# Altium PCB n21-evt.PcbDoc (part 3 of 3)
Units mm, origin at the board's own origin, x right, y up, seen from the top; angles counter-clockwise.
Board outline 50.8 x 103 mm, 4 copper layers (Top Layer, Mid Layer 3, Mid Layer 4, Bottom Layer), stack 1.58 mm thick; 89 components, 99 nets, 463 pads, 516 vias.
Unrouted connection lines stored in the file: 3.
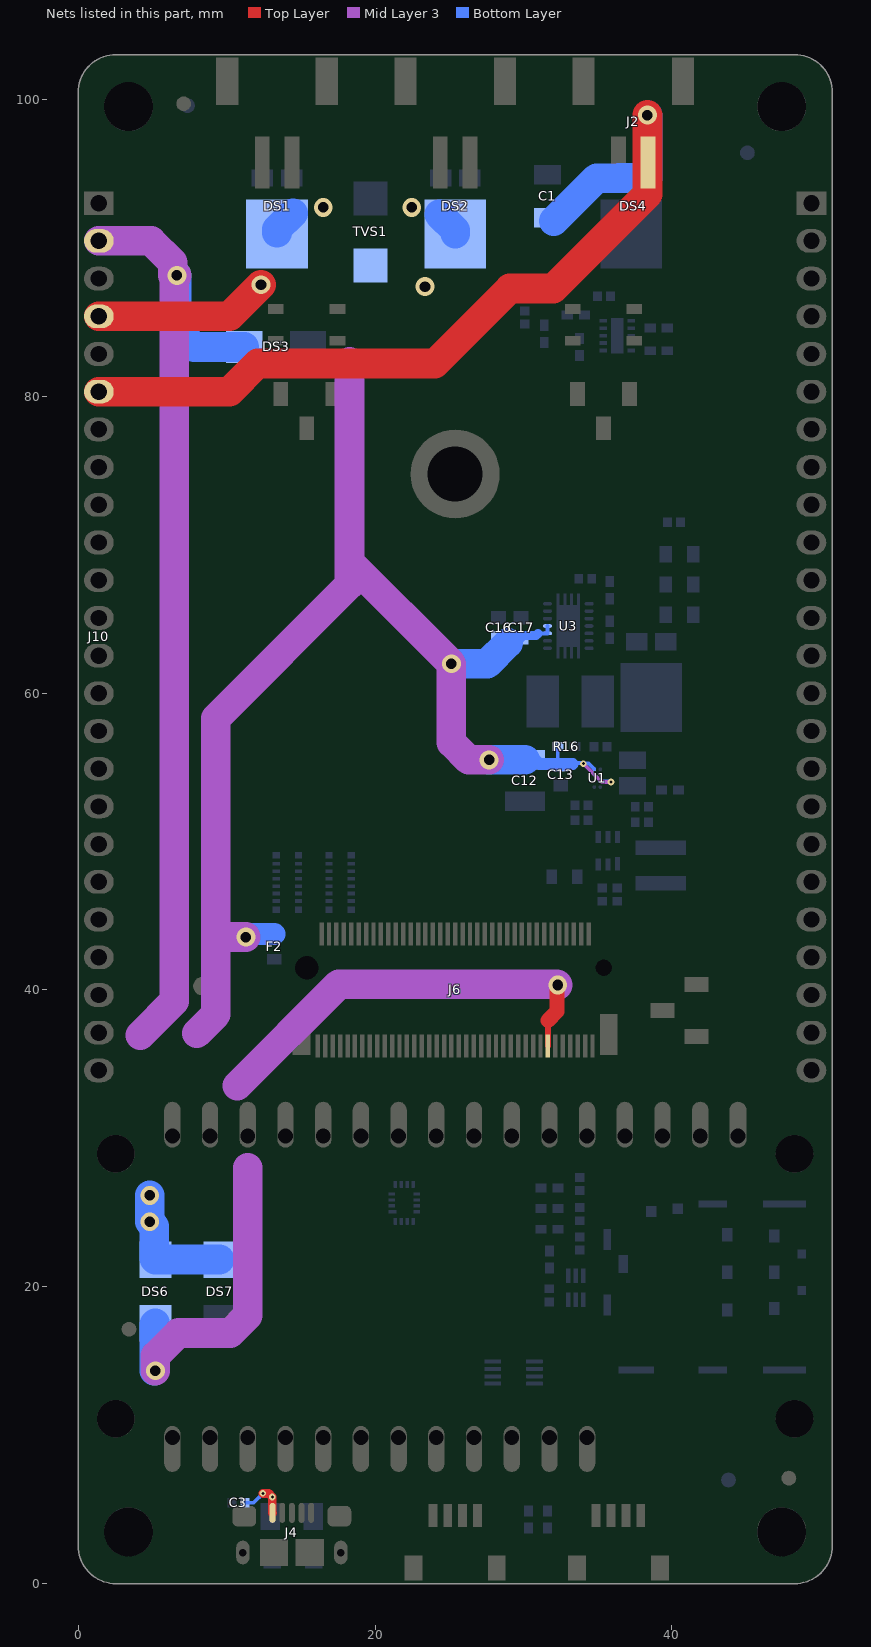
[diagram p5: the nets of this part, all layers, seen from the top]

## Via types
v1: diameter 0.45, hole 0.2, Top Layer to Bottom Layer, tented both sides, 484 vias
v2: diameter 1.27, hole 0.711, Top Layer to Bottom Layer, tented both sides, 25 vias
v3: diameter 1, hole 0.5, Top Layer to Bottom Layer, tented both sides, 6 vias
v4: diameter 1.27, hole 0.71, Top Layer to Bottom Layer, tented both sides, 1 vias

## Nets (pads, with @x,y where several pads share a name; then routed paths per layer and width w, separated by ;. In a path a pad name is that pad's centre, name@x,y a point inside that pad or via, vN(x,y) a via of type N, cw(c..) or ccw(c..) an arc to the next point about the centre after c; other vN are vias at no path point) (continued)
VMAIN: C12.2 C13.2 C16.2 C17.2 DS1.3 DS2.3 DS6.2 DS7.2 F2.1 J10.4 R16.2 TVS1.1 U1.A2 U1.C1 U3.10 U3.11 | length 115.4
  Top Layer w2: J10.4@1.4,85.38 10.196,85.38 v2(12.319,87.503)
  Mid Layer 3 w0.25: v1(34.036,55.245) 35.268,54.013 v1(35.903,54.013)
  Mid Layer 3 w2: 8.001,37.084 9.271,38.354 9.271,43.561 9.271,58.293 18.288,67.31 18.288,68.834 ; 9.565,43.561 v2(11.303,43.561) ; 18.288,82.296 18.288,68.834 ; v2(27.686,55.499) 26.318,55.499 25.146,56.671 v2(25.146,61.976) 18.288,68.834
  Bottom Layer w0.25: 30.988,64.008 30.996,64.016 U3.10@31.62,64.016 U3.11@31.62,64.516 ; R16.2@32.318,56.388 32.318,55.352 C13.2@32.512,55.158 ; 33.401,55.285 34.036,55.285 34.069,55.252 34.391,55.252 U1.A2@34.779,54.864 ; U1.C1@35.179,54.064 35.711,54.064 35.723,54.052 35.864,54.052 v1(35.903,54.013)
  Bottom Layer w0.6: C16.2@28.321,63.714 C17.2@29.845,63.714 29.995,63.864 30.844,63.864 30.988,64.008
  Bottom Layer w0.8: C12.2@30.096,55.499 30.802,55.499 31.093,55.208 32.412,55.208 C13.2@32.462,55.158 ; C13.2@32.512,55.158 32.562,55.208 33.324,55.208
  Bottom Layer w1.5: v2(11.303,43.561) 11.518,43.776 F2.1@13.208,43.776
  Bottom Layer w2: v2(4.826,26.162) v2(4.826,24.384) 5.132,24.078 5.132,21.91 DS6.2@5.207,21.835 DS7.2@9.525,21.835 ; DS1.3@13.4,91 13.4,91.25 DS1.3@14.475,92.325 ; DS2.3@24.325,92.257 25.4,91.182 DS2.3@25.4,90.932 ; v2(25.146,61.976) 27.559,61.976 28.956,63.373 ; v2(27.686,55.499) 30.096,55.499 C12.2@30.099,55.502
  other v2: 23.368,87.376 16.51,92.717 22.479,92.717
VSOLAR: C1.1 DS4.1 DS4.2 J2.2 J10.6 | length 59.5
  Top Layer w2: J10.6@1.4,80.3 10.196,80.3 12.096,82.2 24.034,82.2 29.083,87.249 32.004,87.249 38.354,93.599 v4(38.354,98.933)
  Bottom Layer w2: C1.1@32.043,91.797 34.929,94.682 DS4.2@36.415,94.682 ; DS4.2@36.431,94.697 38.366,94.697 DS4.1@38.382,94.682 ; DS4.1@38.382,94.685 v4@38.382,98.905
VUSB: C3.1 DS3.1 DS6.1 J4.1 J6.13 J10.2 | length 120.9
  Top Layer w0.4: J6.13@31.65,36.225 31.65,37.946
  Top Layer w0.6: v1(12.446,6.085) 12.838,6.085 v1(13.081,5.842) 13.081,4.794 J4.1@13.1,4.775
  Top Layer w1: 31.65,37.946 32.261,38.557 32.261,40.28 v2(32.312,40.332)
  Mid Layer 3 w2: J10.2@1.4,90.46 4.917,90.46 6.373,89.004 v2@6.373,88.131 ; 4.191,36.957 6.477,39.243 6.477,87.958 v2(6.65,88.131) ; v2(5.207,14.351) 5.207,15.338 6.76,16.891 10.258,16.891 11.43,18.063 11.43,28.024 ; 10.731,33.555 17.562,40.386 32.258,40.386 v2(32.312,40.332)
  Bottom Layer w0.25: C3.1@11.235,5.461 11.822,5.461 v1(12.446,6.085)
  Bottom Layer w2: v2@5.132,14.351 5.132,17.46 DS6.1@5.207,17.535 ; v2(6.65,88.131) 6.65,84.484 7.822,83.312 DS3.1@11.185,83.312
pads on no net: FID1.1 FID2.1 FID3.1 FID4.1 FID5.1 FID6.1 J1.M J2.M J3.M J4.4 J5.6 J6. J6.1 J6.15 J6.17 J6.19 J6.21 J6.23 J6.24 J6.25 J6.26 J6.27 J6.28 J6.29 J6.30 J6.31 J6.32 J6.34 J6.35 J6.36 J6.37 J6.41 J6.43 J6.44 J6.47 J6.49 J6.53 J6.55 J6.59 J6.61 J6.63 J6.65 J6.66 J6.68 J6.69 J6.75 J6.AH J7.M J8.M OBJ1.1 SW1.3 U1.D2 U2.9 U3.14

## Polygon pours and split planes (outlines as drawn)
VUSB on Mid Layer 3 "VUSB_L02_P023" (solid, pour order 23): 8.763,26.924 11.049,24.13 12.954,26.67 13.086,35.256 8.763,33.476
VMAIN on Mid Layer 3 "VMAIN_L02_P020" (solid, remove dead copper, pour order 20): 4.826,23.495 6.731,23.495 7.747,24.511 7.747,33.655 8.509,35.687 9.449,37.059 8.763,37.973 7.366,37.973 4.445,34.798 4.191,24.003
VUSB on Mid Layer 3 "VUSB_L02_P018" (solid, pour order 18): 3.556,37.719 1.651,35.56 0.254,35.56 0.254,12.827 3.937,12.827 3.937,34.798 5.08,36.449
F_BAT on Mid Layer 3 "F_BAT_L02_P017" (solid, pour order 17): 50.038,32.639 50.673,32.004 50.673,16.256 49.276,14.859 45.466,14.859 45.466,15.113 45.466,15.748 45.466,16.891 45.466,32.004 46.101,32.639
VUSB on Mid Layer 3 "VUSB_L02_P014" (solid, remove dead copper, pour order 14): 7.239,16.891 2.794,16.891 2.794,14.097 2.159,13.462 0.508,13.462 0.254,13.208 0.254,6.096 1.524,4.826 13.335,4.826 13.716,5.207 13.716,6.731 13.081,7.366 5.08,7.366 5.08,10.668 7.239,12.827
VMAIN on Mid Layer 3 "VMAIN_L02_P016" (solid, pour order 16): 11.43,93.726 27.559,93.726 27.559,81.28 11.43,81.28
VIO_P on Top Layer "VIO_P_L01_P005" (solid, pour order 5): 35.179,42.799 35.179,45.215 34.293,46.101 32.893,46.101 32.893,44.069 33.5,43.664 33.5,42.799
GND on Top Layer "GND_L01_P025" (solid, remove dead copper, pour order 25): 2.546,103.006 48.266,103.006 cw(c48.266,100.466) 50.806,100.466 50.806,2.546 cw(c48.266,2.546) 48.266,0.006 2.546,0.006 cw(c2.546,2.546) 0.006,2.546 0.006,100.466 cw(c2.546,100.466)
NetC4_1 on Top Layer "NETC4_1_L01_P008" (solid, pour order 8): 9.779,5.842 9.398,5.461 8.636,5.461 8.636,2.286 10.541,0.381 19.812,0.381 21.209,1.778 21.209,3.556 20.828,3.937 18.796,4.191 18.653,5.985 18.415,6.223 10.668,6.223
NetC22_1 on Bottom Layer "NETC22_1_L04_P033" (solid, pour order 33): 39.878,72.009 40.386,71.501 40.386,62.738 40.132,62.484 35.433,62.484 35.433,64.135 35.56,64.262 37.465,64.262 38.227,65.024 38.227,72.009
NetC4_1 on Bottom Layer "NETC4_1_L04_P031" (solid, pour order 31): 8.509,5.207 8.509,2.159 10.541,0.127 14.224,0.127 14.224,5.08 13.843,5.461 8.636,5.461
N_VIO on Bottom Layer "N_VIO_L04_P030" (solid, pour order 30): 36.703,48.895 36.703,48.768 36.703,46.482 34.036,46.482 33.02,47.498 33.02,48.641 34.417,48.641 34.671,48.387 34.671,47.752 35.941,47.752 36.068,47.879 36.068,49.149 36.703,49.149
NetL1_1 on Bottom Layer "NETL1_1_L04_P029" (solid, pour order 29): 41.021,47.752 41.021,45.339 37.338,45.339 37.338,47.752
1V8 on Bottom Layer "1V8_L04_P028" (solid, pour order 28): 38.481,54.483 38.481,53.34 37.846,52.705 37.846,50.292 40.894,50.292 41.275,50.165 41.275,48.641 37.592,48.641 36.703,49.53 35.433,49.53 35.306,49.657 35.306,50.927 34.163,50.927 33.909,51.181 33.909,52.832 34.036,52.959 36.195,52.959 36.322,53.086 36.322,54.483
NetL3_2 on Bottom Layer "NETL3_2_L04_P009" (solid, pour order 9): 38.354,56.261 38.354,54.737 35.052,54.737 35.052,56.261
VBAT on Bottom Layer "VBAT_L04_P027" (solid, pour order 27): 35.306,87.63 35.687,87.249 35.687,84.963 35.433,84.709 34.29,84.836 33.655,85.09 33.655,85.979 31.115,85.979 30.988,86.106 30.988,87.63
GND on Bottom Layer "GND_L04_P034" (solid, pour order 34): 2.546,103.006 48.266,103.006 cw(c48.266,100.466) 50.806,100.466 50.806,2.546 cw(c48.266,2.546) 48.266,0.006 2.546,0.006 cw(c2.546,2.546) 0.006,2.546 0.006,100.466 cw(c2.546,100.466)
VMAIN on Bottom Layer "VMAIN_L04_P026" (solid, pour order 26): 25.527,93.599 27.94,91.186 27.94,87.249 27.559,86.868 10.668,86.868 10.668,93.091 11.176,93.599
VMAIN on Bottom Layer "VMAIN_L04_P019" (solid, remove dead copper, pour order 19): 4.191,20.574 3.302,21.463 3.302,27.305 6.985,27.305 8.89,25.4 8.89,20.574
VUSB on Bottom Layer "VUSB_L04_P015" (solid, pour order 15): 2.921,19.558 6.477,19.558 7.239,18.796 7.239,12.065 4.699,12.065 2.54,12.065 2.54,19.367
GND on Mid Layer 4 "GND_L03_P001" (solid, remove dead copper, pour order 1): 2.546,103.006 48.266,103.006 cw(c48.266,100.466) 50.806,100.466 50.806,2.546 cw(c48.266,2.546) 48.266,0.006 2.546,0.006 cw(c2.546,2.546) 0.006,2.546 0.006,100.466 cw(c2.546,100.466)

## Silkscreen, mask and mechanical layers (free items; w line width, h text height)
Top Overlay:
  drawing of 15 lines, arcs and shapes, not listed
  text "V+" at 18.138,104.52 h2.29 r270
  text "SOLAR" at 42.246,103.118 h2.29 r270
  text "LIPO" at 30.092,102.427 h2.29 r270
  text "+ /  / -" at 11.31,94.729 h3 r270
  text "+ /  / -" at 23.31,93.403 h3 r270
  text "+ /  / -" at 35.375,93.276 h3 r270
  text "F_3V3" at 3.401,92.419 h2.29
  text "F_NRST" at 41.613,92.413 h2.29
  text "N_VUSB" at 3.401,89.873 h2.29
  text "F_EN" at 43.696,89.873 h2.29
  text "N_NRST" at 38.192,88.709 h2.29 r270
  text "USER F" at 11.199,88.056 h2.29 r270
  text "VBAT" at 3.401,87.333 h2.29
  text "F_SDA" at 42.574,87.333 h2.29
  text "NOTECARRIER-F" at 14.658,87.185 h4
  text "VMAIN" at 3.401,84.793 h2.29
  text "F_SCL" at 42.755,84.793 h2.29
  text "V1.0" at 22.877,84.376 h4
  text "SWITCHED" at 18.717,83.168 h2.29 r270
  text "PASSIVE" at 31.163,82.842 h2.29 r270
  text "ACTIVE" at 38.529,82.37 h2.29 r270
  text "F_D5" at 43.804,82.259 h2.29
  text "N_VIO" at 3.401,82.255 h2.29
  text "ON" at 11.226,80.235 h2.29 r270
  text "SOLAR" at 3.401,79.715 h2.29
  text "F_D6" at 43.807,79.712 h2.29
  text "V+" at 3.401,77.173 h2.29
  text "F_D9" at 43.834,77.174 h2.29
  text "Feather PWR" at 8.155,74.895 h2.29
  text "GPS ANT" at 32.456,74.64 h2.29
  text "GND" at 3.4,74.633 h2.29
  text "F_D10" at 43.181,74.635 h2.29
  text "N_EN" at 3.401,72.093 h2.29
  text "F_D11" at 43.559,72.093 h2.29
  text "N_NRST" at 3.401,69.553 h2.29
  text "F_D12" at 43.188,69.547 h2.29
  text "F_D13" at 43.226,67.019 h2.29
  text "GND" at 3.4,67.013 h2.29
  text "N_SCL" at 3.401,64.473 h2.29
  text "F_B0" at 43.771,64.475 h2.29
  text "N_SDA" at 3.401,61.933 h2.29
  text "F_TX" at 43.699,61.933 h2.29
  text "ATTN" at 3.399,59.393 h2.29
  text "F_RX" at 43.651,59.393 h2.29
  text "AUX_EN" at 3.399,56.859 h2.29
  text "F_MISO" at 42.087,56.565 h2.29
  text "AUX_RX" at 3.399,54.319 h2.29
  text "F_MOSI" at 42.11,54.315 h2.29
  text "AUX_TX" at 3.399,51.779 h2.29
  text "F_SCK" at 42.651,51.773 h2.29
  text "AUX1" at 3.399,49.239 h2.29
  text "F_A5" at 43.715,49.239 h2.29
  text "AUX2" at 3.399,46.693 h2.29
  text "F_A4" at 43.628,46.693 h2.29
  text "AUX3" at 3.399,44.159 h2.29
  text "F_A3" at 43.73,44.159 h2.29
  text "AUX4" at 3.399,41.619 h2.29
  text "F_A2" at 43.692,41.607 h2.29
  text "ON" at 38.431,40.189 h2.29 r90
  text "N_RX" at 3.401,39.073 h2.29
  text "F_A1" at 44.063,39.073 h2.29
  text "N_TX" at 3.401,36.533 h2.29
  text "F_A0" at 43.686,36.535 h2.29
  text "DFU" at 38.427,35.012 h2.29 r90
  text "GND" at 3.4,33.993 h2.29
  text "F_AREF" at 41.64,33.993 h2.29
  text "F_B0" at 5.659,28.16 h2.29 r270
  text "F_TX" at 8.199,28.16 h2.29 r270
  text "F_RX" at 10.748,28.16 h2.29 r270
  text "F_MISO" at 13.279,28.16 h2.29 r270
  text "F_MOSI" at 15.819,28.16 h2.29 r270
  text "F_SCK" at 18.359,28.16 h2.29 r270
  text "F_A5" at 20.899,28.16 h2.29 r270
  text "F_A4" at 23.439,28.16 h2.29 r270
  text "F_A3" at 25.979,28.16 h2.29 r270
  text "F_A2" at 28.519,28.16 h2.29 r270
  text "F_A1" at 31.059,28.16 h2.29 r270
  text "F_A0" at 33.599,28.16 h2.29 r270
  text "GND" at 36.139,28.16 h2.29 r270
  text "F_AREF" at 38.688,28.16 h2.29 r270
  text "F_3V3" at 41.219,28.16 h2.29 r270
  text "F_NRST" at 43.768,28.16 h2.29 r270
  text "F_SDA" at 5.659,18.309 h2.29 r270
  text "F_SCL" at 8.199,17.307 h2.29 r270
  text "F_BAT" at 33.608,17.26 h2.29 r270
  text "F_D5" at 10.739,17.079 h2.29 r270
  text "F_D10" at 18.359,16.968 h2.29 r270
  text "F_D11" at 20.899,16.968 h2.29 r270
  text "F_D12" at 23.439,16.963 h2.29 r270
  text "F_D13" at 25.979,16.969 h2.29 r270
  text "VUSB" at 28.519,16.969 h2.29 r270
  text "F_EN" at 31.068,16.809 h2.29 r270
  text "F_D6" at 13.279,15.896 h2.29 r270
  text "F_D9" at 15.819,15.896 h2.29 r270
  text "NOTECARD / USB" at 6.352,8.154 h1.8 r270
  text "F I2C / QWIIC" at 29.593,5.774 h2.29 r270
Bottom Overlay:
  text "V+ / 2.5V-5.5V" at 17.78,97.754 h2.29
  text "LIPO: / 3.3V-4.2V" at 30.099,97.735 h2.29
  text "SOLAR: / 3.5V-7V" at 41.656,97.736 h2.29
  text "F_3V3" at 7.893,92.419 h2.29
  text "F_NRST" at 47.399,92.413 h2.29
  text "N_VUSB" at 9.341,89.873 h2.29
  text "F_EN" at 47.399,89.873 h2.29
  text "VBAT" at 7.493,87.333 h2.29
  text "F_SDA" at 47.399,87.333 h2.29
  text "VMAIN" at 8.173,84.793 h2.29
  text "F_SCL" at 47.399,84.793 h2.29
  text "F_D5" at 47.399,82.259 h2.29
  text "N_VIO" at 7.735,82.255 h2.29
  text "SOLAR" at 8.432,79.715 h2.29
  text "F_D6" at 47.399,79.712 h2.29
  text "V+" at 5.163,77.173 h2.29
  text "F_D9" at 47.399,77.174 h2.29
  text "GND" at 6.424,74.633 h2.29
  text "F_D10" at 47.399,74.635 h2.29
  text "N_EN" at 7.28,72.093 h2.29
  text "F_D11" at 47.399,72.093 h2.29
  text "N_NRST" at 9.364,69.553 h2.29
  text "F_D12" at 47.399,69.547 h2.29
  text "F_D13" at 47.399,67.019 h2.29
  text "GND" at 6.424,67.013 h2.29
  text "N_SCL" at 8.222,64.473 h2.29
  text "F_B0" at 47.399,64.475 h2.29
  text "N_SDA" at 8.402,61.933 h2.29
  text "F_TX" at 47.399,61.933 h2.29
  text "ATTN" at 7.454,59.393 h2.29
  text "F_RX" at 47.399,59.393 h2.29
  text "AUX_EN" at 9.461,56.859 h2.29
  text "F_MISO" at 47.399,56.855 h2.29
  text "AUX_RX" at 9.507,54.319 h2.29
  text "F_MOSI" at 47.399,54.315 h2.29
  text "AUX_TX" at 9.459,51.779 h2.29
  text "F_SCK" at 47.399,51.773 h2.29
  text "AUX1" at 7.093,49.239 h2.29
  text "F_A5" at 47.399,49.239 h2.29
  text "AUX2" at 7.464,46.693 h2.29
  text "F_A4" at 47.399,46.693 h2.29
  text "AUX3" at 7.426,44.159 h2.29
  text "F_A3" at 47.399,44.159 h2.29
  text "AUX4" at 7.528,41.619 h2.29
  text "F_A2" at 47.399,41.607 h2.29
  text "N_RX" at 7.326,39.073 h2.29
  text "F_A1" at 47.399,39.073 h2.29
  text "N_TX" at 7.278,36.533 h2.29
  text "F_A0" at 47.399,36.535 h2.29
  text "GND" at 6.424,33.993 h2.29
  text "F_AREF" at 47.399,33.993 h2.29
Board:
  lines w0.013: 0,2.54 ccw(c2.54,2.54) 2.54,0 ; 0,2.54 ccw(c2.54,2.54) 2.54,0 ; 0,2.54 0,100.46 cw(c2.54,100.46) 2.54,103 48.26,103 ; 2.54,0 48.26,0 ; 2.54,0 48.26,0 ; 48.26,0 ccw(c48.26,2.54) 50.8,2.54 ; 48.26,0 ccw(c48.26,2.54) 50.8,2.54 ; 48.26,103 cw(c48.26,100.46) 50.8,100.46 ; 48.26,103 cw(c48.26,100.46) 50.8,100.46 ; 50.8,2.54 50.8,100.46 ; 50.8,2.54 50.8,100.46
Dimensions Drawing:
  circle w0.254: c35.4,41.5 r0.55
  circle w0.254: c15.4,39.5 r0.8
  circle w0.254: c2.54,28.96 r1.27
  circle w0.254: c48.266,11.116 r1.27
  circle w0.254: c48.266,28.96 r1.27
  circle w0.254: c3.4,99.5 r1.65
  circle w0.254: c47.4,99.5 r1.65
  circle w0.254: c2.546,11.116 r1.27
  circle w0.254: c3.4,3.5 r1.65
  circle w0.254: c47.4,3.5 r1.65
  lines w0.013: 0,2.54 ccw(c2.54,2.54) 2.54,0 48.26,0 ccw(c48.26,2.54) 50.8,2.54 50.8,100.46 ccw(c48.26,100.46) 48.26,103 2.54,103 ccw(c2.54,100.46) 0,100.46 0,2.54
Drill Drawing:
  circle w0.254: c5,151.723 r0.508
  circle w0.254: c5,151.723 r0.847
  circle w0.254: c5,144.103 r0.847
  lines w0.254: 4.154,135.636 5.847,135.636 5.847,137.329 4.154,137.329 4.154,135.636 ; 4.154,139.446 5.847,139.446 5.847,141.139 4.154,141.139 4.154,139.446 ; 4.154,148.759 5.847,148.759 5,147.066 4.154,148.759 ; 4.154,154.686 5,155.109 5.847,154.686 5.424,155.533 5.847,156.379 5,155.956 4.154,156.379 4.577,155.533 4.154,154.686 ; 4.154,160.189 5.847,160.189 5,158.496 4.154,160.189 ; 4.154,162.729 4.577,162.729 5,162.306 5.424,162.729 5.847,162.729 5.424,163.153 5.847,163.576 5.424,163.576 5,163.999 4.577,163.576 4.154,163.576 4.577,163.153 4.154,162.729 ; 4.154,166.539 4.577,166.539 4.577,166.116 5.424,166.116 5.424,166.539 5.847,166.539 5.847,167.386 5.424,167.386 5.424,167.809 4.577,167.809 4.577,167.386 4.154,167.386 4.154,166.539 ; 4.154,170.773 5,169.926 5.847,170.773 5,171.619 4.154,170.773 ; 4.154,173.736 4.154,174.159 4.577,174.583 4.154,175.006 4.154,175.429 4.577,175.429 5,175.006 5.424,175.429 5.847,175.429 5.847,175.006 5.424,174.583 5.847,174.159 5.847,173.736 5.424,173.736 5,174.159 4.577,173.736 4.154,173.736 ; 4.154,177.969 4.577,177.969 5,177.546 5.424,177.969 5.847,177.969 5.424,178.393 5.847,178.816 5.424,178.816 5,179.239 4.577,178.816 4.154,178.816 4.577,178.393 4.154,177.969 ; 4.492,135.975 5.508,135.975 5.508,136.991 4.492,136.991 4.492,135.975 ; 4.492,148.421 5.508,148.421 5,147.405 4.492,148.421 ; 4.492,178.139 4.746,178.139 5,177.885 5.254,178.139 5.508,178.139 5.254,178.393 5.508,178.647 5.254,178.647 5,178.901 4.746,178.647 4.492,178.647 4.746,178.393 4.492,178.139
  lines w0.381: 2.635,134.493 354.986,134.493 ; 2.635,180.213 354.986,180.213 ; 16.627,130.683 16.627,184.023 ; 31.863,130.683 31.863,184.023 ; 61.065,130.683 61.065,184.023 ; 73.914,130.683 73.914,184.023 ; 92.553,130.683 92.553,184.023 ; 130.641,130.683 130.641,184.023 ; 145.623,130.683 145.623,184.023 ; 173.301,130.683 173.301,184.023 ; 202.249,130.683 202.249,184.023 ; 223.934,130.683 223.934,184.023 ; 257.808,130.683 257.808,184.023 ; 291.682,130.683 291.682,184.023 ; 319.36,130.683 319.36,184.023 ; 2.635,130.683 354.986,130.683 354.986,184.023 2.635,184.023 2.635,130.683
  text "Symbol" at 4.921,181.356 h1.83
  text "Count" at 17.77,181.356 h1.83
  text "Hole Size" at 33.006,181.356 h1.83
  text "Plated" at 62.208,181.356 h1.83
  text "Hole Type" at 75.057,181.356 h1.83
  text "Drill Layer Pair" at 93.696,181.356 h1.83
  text "Via/Pad" at 131.784,181.356 h1.83
  text "Pad Shape" at 146.766,181.356 h1.83
  text "Template" at 174.444,181.356 h1.83
  text "Description" at 203.392,181.356 h1.83
  text "Hole Tolerance (+)" at 225.077,181.356 h1.83
  text "Hole Tolerance (-)" at 258.951,181.356 h1.83
  text "Hole Length" at 292.825,181.356 h1.83
  text "Routed Path Length" at 320.503,181.356 h1.83
  text "1" at 17.77,177.546 h1.52
  text "27.95mil (0.710mm)" at 33.006,177.546 h1.52
  text "PTH" at 62.208,177.546 h1.52
  text "Round" at 75.057,177.546 h1.52
  text "Top Layer - Bottom Layer" at 93.696,177.546 h1.52
  text "Via" at 131.784,177.546 h1.52
  text "Rounded" at 146.766,177.546 h1.52
  text "v127h71m0mx0(1)" at 174.444,177.546 h1.52
  text "-" at 292.825,177.546 h1.52
  text "-" at 320.503,177.546 h1.52
  text "1" at 17.77,173.736 h1.52
  text "43.31mil (1.100mm)" at 33.006,173.736 h1.52
  text "NPTH" at 62.208,173.736 h1.52
  text "Round" at 75.057,173.736 h1.52
  text "Top Layer - Bottom Layer" at 93.696,173.736 h1.52
  text "Pad" at 131.784,173.736 h1.52
  text "Rounded" at 146.766,173.736 h1.52
  text "c100hn110" at 174.444,173.736 h1.52
  text "-" at 292.825,173.736 h1.52
  text "-" at 320.503,173.736 h1.52
  text "1" at 17.77,169.926 h1.52
  text "62.99mil (1.600mm)" at 33.006,169.926 h1.52
  text "NPTH" at 62.208,169.926 h1.52
  text "Round" at 75.057,169.926 h1.52
  text "Top Layer - Bottom Layer" at 93.696,169.926 h1.52
  text "Pad" at 131.784,169.926 h1.52
  text "Rounded" at 146.766,169.926 h1.52
  text "c100hn160" at 174.444,169.926 h1.52
  text "-" at 292.825,169.926 h1.52
  text "-" at 320.503,169.926 h1.52
  text "1" at 17.77,166.116 h1.52
  text "145.67mil (3.700mm)" at 33.006,166.116 h1.52
  text "PTH" at 62.208,166.116 h1.52
  text "Round" at 75.057,166.116 h1.52
  text "Top Layer - Bottom Layer" at 93.696,166.116 h1.52
  text "Pad" at 131.784,166.116 h1.52
  text "Rounded" at 146.766,166.116 h1.52
  text "c600h370z152" at 174.444,166.116 h1.52
  text "-" at 292.825,166.116 h1.52
  text "-" at 320.503,166.116 h1.52
  text "2" at 17.77,162.306 h1.52
  text "19.69mil (0.500mm)" at 33.006,162.306 h1.52
  text "PTH" at 62.208,162.306 h1.52
  text "Slot" at 75.057,162.306 h1.52
  text "Top Layer - Bottom Layer" at 93.696,162.306 h1.52
  text "Pad" at 131.784,162.306 h1.52
  text "Rounded" at 146.766,162.306 h1.52
  text "r160_90h50_120r100" at 174.444,162.306 h1.52
  text "47.24mil (1.200mm)" at 292.825,162.306 h1.52
  text "27.56mil (0.700mm)" at 320.503,162.306 h1.52
  text "4" at 17.77,158.496 h1.52
  text "100.00mil (2.540mm)" at 33.006,158.496 h1.52
  text "NPTH" at 62.208,158.496 h1.52
  text "Round" at 75.057,158.496 h1.52
  text "Top Layer - Bottom Layer" at 93.696,158.496 h1.52
  text "Pad" at 131.784,158.496 h1.52
  text "Rounded" at 146.766,158.496 h1.52
  text "c254hn254" at 174.444,158.496 h1.52
  text "-" at 292.825,158.496 h1.52
  text "-" at 320.503,158.496 h1.52
  text "4" at 17.77,154.686 h1.52
  text "129.92mil (3.300mm)" at 33.006,154.686 h1.52
  text "NPTH" at 62.208,154.686 h1.52
  text "Round" at 75.057,154.686 h1.52
  text "Top Layer - Bottom Layer" at 93.696,154.686 h1.52
  text "Pad" at 131.784,154.686 h1.52
  text "Rounded" at 146.766,154.686 h1.52
  text "c330hn330" at 174.444,154.686 h1.52
  text "-" at 292.825,154.686 h1.52
  text "-" at 320.503,154.686 h1.52
  text "6" at 17.77,150.876 h1.52
  text "19.69mil (0.500mm)" at 33.006,150.876 h1.52
  text "PTH" at 62.208,150.876 h1.52
  text "Round" at 75.057,150.876 h1.52
  text "Top Layer - Bottom Layer" at 93.696,150.876 h1.52
  text "Via" at 131.784,150.876 h1.52
  text "Rounded" at 146.766,150.876 h1.52
  text "v100h50m0mx0" at 174.444,150.876 h1.52
  text "-" at 292.825,150.876 h1.52
  text "-" at 320.503,150.876 h1.52
  text "25" at 17.77,147.066 h1.52
  text "27.99mil (0.711mm)" at 33.006,147.066 h1.52
  text "PTH" at 62.208,147.066 h1.52
  text "Round" at 75.057,147.066 h1.52
  text "Top Layer - Bottom Layer" at 93.696,147.066 h1.52
  text "Via" at 131.784,147.066 h1.52
  text "Rounded" at 146.766,147.066 h1.52
  text "(Mixed)" at 174.444,147.066 h1.52
  text "-" at 292.825,147.066 h1.52
  text "-" at 320.503,147.066 h1.52
  text "28" at 17.77,143.256 h1.52
  text "39.37mil (1.000mm)" at 33.006,143.256 h1.52
  text "PTH" at 62.208,143.256 h1.52
  text "Round" at 75.057,143.256 h1.52
  text "Top Layer - Bottom Layer" at 93.696,143.256 h1.52
  text "Pad" at 131.784,143.256 h1.52
  text "Rounded Rectangle" at 146.766,143.256 h1.52
  text "(Mixed)" at 174.444,143.256 h1.52
  text "-" at 292.825,143.256 h1.52
  text "-" at 320.503,143.256 h1.52
  text "48" at 17.77,139.446 h1.52
  text "43.31mil (1.100mm)" at 33.006,139.446 h1.52
  text "PTH" at 62.208,139.446 h1.52
  text "Round" at 75.057,139.446 h1.52
  text "Top Layer - Bottom Layer" at 93.696,139.446 h1.52
  text "Pad" at 131.784,139.446 h1.52
  text "(Mixed)" at 146.766,139.446 h1.52
  text "(Mixed)" at 174.444,139.446 h1.52
  text "-" at 292.825,139.446 h1.52
  text "-" at 320.503,139.446 h1.52
  text "484" at 17.77,135.636 h1.52
  text "7.87mil (0.200mm)" at 33.006,135.636 h1.52
  text "PTH" at 62.208,135.636 h1.52
  text "Round" at 75.057,135.636 h1.52
  text "Top Layer - Bottom Layer" at 93.696,135.636 h1.52
  text "Via" at 131.784,135.636 h1.52
  text "Rounded" at 146.766,135.636 h1.52
  text "(Mixed)" at 174.444,135.636 h1.52
  text "-" at 292.825,135.636 h1.52
  text "-" at 320.503,135.636 h1.52
  text "605 Total" at 17.77,131.826 h1.52
  text "Slot definitions :" at 4.921,128.144 h1.52
  text "Routed Path Length" at 31.151,128.144 h1.52
  text "= Calculated from tool start centre position to tool end centre position." at 59.159,128.144 h1.52
  text "Hole Length" at 31.151,125.604 h1.52
  text "= Routed Path Length + Tool Size = Slot length as defined in the PCB layout" at 48.749,125.604 h1.52
Fab Notes:
  drawing of 431 lines, arcs and shapes, not listed
  text "B" at 414.015,107.881 h1.27
  text "B" at 414.015,107.881 h1.27
  text "IMPEDANCE CONTROL TABLE" at 328.979,107.007 h1.31
  text "IMPEDANCE CONTROL TABLE" at 328.979,107.007 h1.31
  text "FOR TEMPO AUTOMATION" at 125.433,104.903 h6
  text "TRACE [MM]" at 297.846,102.925 h1.31
  text "TRACE [MM]" at 297.846,102.925 h1.31
  text "SPACING [MM]" at 322.066,102.925 h1.31
  text "SPACING [MM]" at 322.066,102.925 h1.31
  text "LAYER" at 276.595,102.807 h1.31
  text "LAYER" at 276.595,102.807 h1.31
  text "IMPEDANCE SINGLE-ENDED" at 341.068,102.807 h1.31
  text "IMPEDANCE SINGLE-ENDED" at 341.068,102.807 h1.31
  text "IMPEDANCE DIFFERENTIAL" at 365.768,102.807 h1.31
  text "IMPEDANCE DIFFERENTIAL" at 365.768,102.807 h1.31
  text "TOLLERANCE" at 396.546,102.807 h1.31
  text "TOLLERANCE" at 396.546,102.807 h1.31
  text "Layer" at 127.002,101.219 h1.52
  text "Name" at 137.414,101.219 h1.52
  text "Material" at 161.283,101.219 h1.52
  text "Thickness" at 183.122,101.219 h1.52
  text "Constant" at 199.627,101.219 h1.52
  text "Board Layer Stack" at 214.102,101.219 h1.52
  text "+/- 10%" at 397.757,99.513 h1.31
  text "NA" at 349.047,99.495 h1.31
  text "90 ohm" at 375.006,99.495 h1.31
  text "0.178" at 300.526,99.413 h1.31
  text "0.127" at 325.026,99.413 h1.31
  text "BOTTOM" at 277.316,99.395 h1.31
  text "Top Overlay" at 137.414,98.171 h1.52
  text "+/- 10%" at 398.138,95.957 h1.31
  text "NA" at 349.428,95.939 h1.31
  text "90 ohm" at 375.387,95.939 h1.31
  text "0.178" at 300.907,95.857 h1.31
  text "0.127" at 325.407,95.857 h1.31
  text "TOP" at 277.697,95.839 h1.31
  text "Top Solder" at 137.414,95.123 h1.52
  text "Solder Resist" at 161.283,95.123 h1.52
  text "0.015mm" at 183.122,95.123 h1.52
  text "3.5" at 199.627,95.123 h1.52
  text "1" at 127.002,92.075 h1.52
  text "Top Layer" at 137.414,92.075 h1.52
  text "0.048mm" at 183.122,92.075 h1.52
  text "Top Prepreg" at 137.414,89.027 h1.52
  text "0.109mm" at 183.122,89.027 h1.52
  text "4.2" at 199.627,89.027 h1.52
  text "2" at 127.002,85.979 h1.52
  text "Mid Layer 3" at 137.414,85.979 h1.52
  text "0.036mm" at 183.122,85.979 h1.52
  text "Bottom Core" at 137.414,82.931 h1.52
  text "1.194mm" at 183.122,82.931 h1.52
  text "4.2" at 199.627,82.931 h1.52
  text "MANUFACTURING SPECIFICATIONS" at 326.53,81.107 h1.31
  text "MANUFACTURING SPECIFICATIONS" at 326.53,81.107 h1.31
  text "3" at 127.002,79.883 h1.52
  text "Mid Layer 4" at 137.414,79.883 h1.52
  text "0.036mm" at 183.122,79.883 h1.52
  text "CLASS 2" at 377.915,77.007 h1.31
  text "CLASS 2" at 377.915,77.007 h1.31
  text "BOARD SIZE (XxYxZ)" at 267.537,76.932 h1.31
  text "BOARD SIZE (XxYxZ)" at 267.537,76.932 h1.31
  text "50.8x103.00x1.6mm" at 304.936,76.925 h1.31
  text "IPC-6012 - IPC-A-600" at 340.848,76.907 h1.31
  text "IPC-6012 - IPC-A-600" at 340.848,76.907 h1.31
  text "Bottom Prepreg" at 137.414,76.835 h1.52
  text "0.109mm" at 183.122,76.835 h1.52
  text "4.2" at 199.627,76.835 h1.52
  text "4" at 127.002,73.787 h1.52
  text "Bottom Layer" at 137.414,73.787 h1.52
  text "0.048mm" at 183.122,73.787 h1.52
  text "+-/0.2 | +/-0.2 | +/-10%" at 304.936,73.625 h1.31
  text "+-/0.2 | +/-0.2 | +/-10%" at 304.936,73.625 h1.31
  text "YES" at 377.815,73.407 h1.31
  text "YES" at 377.815,73.407 h1.31
  text "BOARD TOLLERANCE (X|Y|Z)" at 267.537,73.332 h1.31
  text "BOARD TOLLERANCE (X|Y|Z)" at 267.537,73.332 h1.31
  text "E-TESTING" at 340.948,73.307 h1.31
  text "E-TESTING" at 340.948,73.307 h1.31
  text "Bottom Solder" at 137.414,70.739 h1.52
  text "Solder Resist" at 161.283,70.739 h1.52
  text "0.015mm" at 183.122,70.739 h1.52
  text "3.5" at 199.627,70.739 h1.52
  text "4" at 305.054,70.107 h1.31
  text "4" at 305.054,70.107 h1.31
  text "NO" at 377.915,70.107 h1.31
  text "NO" at 377.915,70.107 h1.31
  text "UL-MARKING" at 341.048,70.007 h1.31
  text "UL-MARKING" at 341.048,70.007 h1.31
  text "NO.OF LAYERS" at 267.632,69.932 h1.31
  text "NO.OF LAYERS" at 267.632,69.932 h1.31
  text "Bottom Overlay" at 137.414,67.691 h1.52
  text "NO" at 377.915,66.507 h1.31
  text "NO" at 377.915,66.507 h1.31
  text "48um" at 304.785,66.407 h1.31
  text "MICROVIA (hole < 100um)" at 341.048,66.407 h1.31
  text "MICROVIA (hole < 100um)" at 341.048,66.407 h1.31
  text "BASE COPPER OUTSIDE" at 267.579,66.332 h1.31
  text "BASE COPPER OUTSIDE" at 267.579,66.332 h1.31
  text "Total board thickness:" at 127.002,64.643 h1.52
  text "1.610mm" at 183.122,64.643 h1.52
  text "36um" at 304.785,63.007 h1.31
  text "BASE COPPER INSIDE" at 267.579,62.932 h1.31
  text "BASE COPPER INSIDE" at 267.579,62.932 h1.31
  text "NO" at 377.915,62.907 h1.31
  text "NO" at 377.915,62.907 h1.31
  text "BLIND VIA" at 341.048,62.807 h1.31
  text "BLIND VIA" at 341.048,62.807 h1.31
  text "ENIG" at 305.075,59.407 h1.31
  text "NO" at 377.915,59.407 h1.31
  text "NO" at 377.915,59.407 h1.31
  text "FINISH" at 267.52,59.332 h1.31
  text "FINISH" at 267.52,59.332 h1.31
  text "BURIED VIA" at 341.048,59.307 h1.31
  text "BURIED VIA" at 341.048,59.307 h1.31
  text "NO" at 377.915,55.907 h1.31
  text "NO" at 377.915,55.907 h1.31
  text "MATTE BLACK" at 304.673,55.88 h1.31
  text "SOLDER COLOR" at 267.573,55.832 h1.31
  text "SOLDER COLOR" at 267.573,55.832 h1.31
  text "VIA FILL/VIA IN PAD" at 341.048,55.807 h1.31
  text "VIA FILL/VIA IN PAD" at 341.048,55.807 h1.31
  text "WHITE" at 305.095,52.507 h1.31
  text "WHITE" at 305.095,52.507 h1.31
  text "0.2mm" at 377.915,52.507 h1.31
  text "0.2mm" at 377.915,52.507 h1.31
  text "MIN. VIA SIZE" at 341.048,52.407 h1.31
  text "MIN. VIA SIZE" at 341.048,52.407 h1.31
  text "SILKSCREEN COLOR" at 267.587,52.332 h1.31
  text "SILKSCREEN COLOR" at 267.587,52.332 h1.31
  text "0.15mm" at 377.915,49.007 h1.31
  text "0.15mm" at 377.915,49.007 h1.31
  text "FR4-TG150" at 304.936,48.907 h1.31
  text "FR4-TG150" at 304.936,48.907 h1.31
  text "MIN.TRACE SPACING" at 341.048,48.907 h1.31
  text "MIN.TRACE SPACING" at 341.048,48.907 h1.31
  text "DIELECTRIC MATERIAL" at 267.616,48.832 h1.31
  text "DIELECTRIC MATERIAL" at 267.616,48.832 h1.31
  text "IMPEDANCE CONTROL" at 267.448,45.407 h1.31
  text "IMPEDANCE CONTROL" at 267.448,45.407 h1.31
  text "0.2mm" at 377.915,45.407 h1.31
  text "0.2mm" at 377.915,45.407 h1.31
  text "YES" at 304.664,45.307 h1.31
  text "YES" at 304.664,45.307 h1.31
  text "OUTER LAYER MIN.TRACE WIDTH" at 341.048,45.307 h1.31
  text "OUTER LAYER MIN.TRACE WIDTH" at 341.048,45.307 h1.31
  text "CTI" at 267.448,41.907 h1.31
  text "CTI" at 267.448,41.907 h1.31
  text "0.2mm" at 377.915,41.907 h1.31
  text "0.2mm" at 377.915,41.907 h1.31
  text "175V" at 304.664,41.807 h1.31
  text "175V" at 304.664,41.807 h1.31
  text "INNER LAYER MIN.TRACE WIDTH" at 341.048,41.807 h1.31
  text "INNER LAYER MIN.TRACE WIDTH" at 341.048,41.807 h1.31
  text "Project name" at 318.028,37.459 h1.31
  text "Project name" at 318.028,37.459 h1.31
  text "Board name" at 366.846,37.407 h1.31
  text "Board name" at 366.846,37.407 h1.31
  text "A" at 414.274,36.253 h1.27
  text "A" at 414.274,36.253 h1.27
  text "N21 EVT" at 370.259,32.633 h1.31
  text "CARR-F" at 332.667,32.125 h1.31
  text "Designed by" at 318.028,25.065 h1.31
  text "Designed by" at 318.028,25.065 h1.31
  text "Ethan Pierce & Ray Ozzie @ Blues Inc." at 332.77,24.942 h1.31
  text "Project Code" at 318.028,20.239 h1.31
  text "Project Code" at 318.028,20.239 h1.31
  text "N21 EVT" at 332.667,19.933 h1.31
  text "Blues Inc" at 269.165,17.457 h6
  text "Internal Code" at 317.97,14.905 h1.31
  text "Internal Code" at 317.97,14.905 h1.31
  text "-" at 377.654,14.807 h1.31
  text "-" at 377.654,14.807 h1.31
  text "-" at 332.843,14.782 h1.31
  text "-" at 332.843,14.782 h1.31
  text "Code" at 366.785,14.707 h1.31
  text "Code" at 366.785,14.707 h1.31
  text "Size Page" at 330.836,10.225 h1.31
  text "Size Page" at 330.836,10.225 h1.31
  text "Rev." at 319.184,10.212 h1.31
  text "Rev." at 319.184,10.212 h1.31
  text "Scale" at 353.695,10.207 h1.31
  text "Scale" at 353.695,10.207 h1.31
  text "Data" at 366.785,8.107 h1.31
  text "Data" at 366.785,8.107 h1.31
  text "1:1" at 354.775,6.925 h1.31
  text "1:1" at 354.775,6.925 h1.31
  text "A3" at 334.264,6.807 h1.31
  text "A3" at 334.264,6.807 h1.31
  text "Copyright (c) 2022 Blues Inc" at 268.216,1.753 h1.16

## Dimensions
3.4,3.5 to 0,2.54 on Dimensions Drawing
25.4,74.75 to 50.8,100.46 on Dimensions Drawing
48.26,103 to 48.26,0 on Dimensions Drawing
48.26,11.11 to 48.26,28.96 on Dimensions Drawing
3.4,99.5 to 0,100.46 on Dimensions Drawing
3.4,99.5 to 2.54,103 on Dimensions Drawing
3.4,3.5 to 2.54,0 on Dimensions Drawing
47.4,3.5 to 50.8,2.54 on Dimensions Drawing
47.4,3.5 to 48.26,0 on Dimensions Drawing
25.4,74.75 to 48.26,103 on Dimensions Drawing
1.4,93 to 2.54,103 on Dimensions Drawing
1.4,93 to 49.4,93 on Dimensions Drawing
48.26,103 to 49.4,93 on Dimensions Drawing
49.4,93 to 50.8,100.46 on Dimensions Drawing
2.546,11.116 to 0,17.78 on Dimensions Drawing
47.4,3.5 to 57.15,7.62 on Dimensions Drawing
48.26,100.46 to 55.88,105.41 on Dimensions Drawing
50.8,100.46 to 0,2.54 on Dimensions Drawing

## Text inside footprints (layer, text, board x,y; h text height)
DS1: Mechanical 19 "2" at 12.415,94.602 h0.2 r90; Mechanical 19 "1" at 14.385,94.602 h0.2 r90; Mechanical 19 "3" at 13.4,90.852 h0.2 r180
DS2: Mechanical 19 "3" at 25.4,90.852 h0.2 r180; Mechanical 19 "1" at 26.385,94.602 h0.2 r90; Mechanical 19 "2" at 24.415,94.602 h0.2 r90
DS4: Mechanical 19 "2" at 36.415,94.602 h0.2 r90; Mechanical 19 "1" at 38.385,94.602 h0.2 r90; Mechanical 19 "3" at 37.4,90.852 h0.2 r180
DS5: Mechanical 19 "2" at 37.623,63.376 h0.2 r90; Mechanical 19 "1" at 39.593,63.376 h0.2 r90; Mechanical 19 "3" at 38.608,59.626 h0.2 r180
F1: Mechanical 19 "2" at 31.916,47.705 h0.2 r270; Mechanical 19 "1" at 33.616,47.705 h0.2 r270
F2: Mechanical 19 "1" at 13.128,43.776 h0.2; Mechanical 19 "2" at 13.128,42.076 h0.2
J5: Mechanical 17 "17" at 47.6,14.24 h0.2; Mechanical 17 "18" at 48.75,19.6 h0.2 r90; Mechanical 17 "5" at 43.73,18.36 h0.2 r90; Mechanical 17 "2" at 46.9,20.9 h0.2 r90; Mechanical 17 "1" at 46.9,18.46 h0.2 r90; Mechanical 17 "6" at 43.73,20.9 h0.2 r90; Mechanical 17 "19" at 48.75,22.04 h0.2 r90; Mechanical 17 "3" at 46.9,23.34 h0.2 r90; Mechanical 17 "8" at 47.6,25.495 h0.2; Mechanical 17 "7" at 43.73,23.44 h0.2 r90; Mechanical 17 "16" at 42.75,14.24 h0.2; Mechanical 17 "15" at 37.6,14.24 h0.2; Mechanical 17 "13" at 36.725,21.37 h0.2 r90; Mechanical 17 "14" at 35.65,18.62 h0.2 r90; Mechanical 17 "9" at 42.75,25.495 h0.2; Mechanical 17 "12" at 35.65,23.02 h0.2 r90; Mechanical 17 "10" at 40.4,25.09 h0.2 r90; Mechanical 17 "11" at 38.6,24.915 h0.2; Mechanical 18 "EDGE" at 49.325,14.2 h1 r90; Mechanical 18 "EDGE" at 49.325,29.23 h1 r90; Mechanical 18 "Only GND Trace" at 38.793,16.343 h0.3 r180
J6: Mechanical 19 "71" at 17.31,36.225 h0.2 r180; Mechanical 19 "73" at 16.81,36.225 h0.2 r180; Mechanical 19 "69" at 17.81,36.225 h0.2 r180; Mechanical 19 "75" at 16.31,36.225 h0.2 r180; Mechanical 19 "61" at 19.81,36.225 h0.2 r180; Mechanical 19 "63" at 19.31,36.225 h0.2 r180; Mechanical 19 "59" at 20.31,36.225 h0.2 r180; Mechanical 19 "67" at 18.31,36.225 h0.2 r180; Mechanical 19 "65" at 18.81,36.225 h0.2 r180; Mechanical 19 "53" at 21.81,36.225 h0.2 r180; Mechanical 19 "49" at 22.81,36.225 h0.2 r180; Mechanical 19 "51" at 22.31,36.225 h0.2 r180; Mechanical 19 "47" at 23.31,36.225 h0.2 r180; Mechanical 19 "57" at 20.81,36.225 h0.2 r180; Mechanical 19 "55" at 21.31,36.225 h0.2 r180; Mechanical 19 "39" at 25.31,36.225 h0.2 r180; Mechanical 19 "41" at 24.81,36.225 h0.2 r180; Mechanical 19 "37" at 25.81,36.225 h0.2 r180; Mechanical 19 "45" at 23.81,36.225 h0.2 r180; Mechanical 19 "43" at 24.31,36.225 h0.2 r180; Mechanical 19 "68" at 18.06,43.775 h0.2 r180; Mechanical 19 "70" at 17.56,43.775 h0.2 r180; Mechanical 19 "66" at 18.56,43.775 h0.2 r180; Mechanical 19 "74" at 16.56,43.775 h0.2 r180; Mechanical 19 "72" at 17.06,43.775 h0.2 r180; Mechanical 19 "62" at 19.56,43.775 h0.2 r180; Mechanical 19 "64" at 19.06,43.775 h0.2 r180; Mechanical 19 "58" at 20.56,43.775 h0.2 r180; Mechanical 19 "60" at 20.06,43.775 h0.2 r180; Mechanical 19 "52" at 22.06,43.775 h0.2 r180; Mechanical 19 "48" at 23.06,43.775 h0.2 r180; Mechanical 19 "50" at 22.56,43.775 h0.2 r180; Mechanical 19 "46" at 23.56,43.775 h0.2 r180; Mechanical 19 "56" at 21.06,43.775 h0.2 r180; Mechanical 19 "54" at 21.56,43.775 h0.2 r180; Mechanical 19 "40" at 25.06,43.775 h0.2 r180; Mechanical 19 "38" at 25.56,43.775 h0.2 r180; Mechanical 19 "44" at 24.06,43.775 h0.2 r180; Mechanical 19 "42" at 24.56,43.775 h0.2 r180; Mechanical 19 "33" at 26.81,36.225 h0.2 r180; Mechanical 19 "35" at 26.31,36.225 h0.2 r180; Mechanical 19 "31" at 27.31,36.225 h0.2 r180; Mechanical 19 "30" at 27.56,43.775 h0.2 r180; Mechanical 19 "29" at 27.81,36.225 h0.2 r180; Mechanical 19 "21" at 29.81,36.225 h0.2 r180; Mechanical 19 "23" at 29.31,36.225 h0.2 r180; Mechanical 19 "19" at 30.31,36.225 h0.2 r180; Mechanical 19 "27" at 28.31,36.225 h0.2 r180; Mechanical 19 "25" at 28.81,36.225 h0.2 r180; Mechanical 19 "11" at 32.31,36.225 h0.2 r180; Mechanical 19 "13" at 31.81,36.225 h0.2 r180; Mechanical 19 "9" at 32.73,36.225 h0.2 r180; Mechanical 19 "17" at 30.81,36.225 h0.2 r180; Mechanical 19 "15" at 31.31,36.225 h0.2 r180; Mechanical 19 "5" at 33.73,36.225 h0.2 r180; Mechanical 19 "7" at 33.23,36.225 h0.2 r180; Mechanical 19 "3" at 34.23,36.225 h0.2 r180; Mechanical 19 "1" at 34.73,36.225 h0.2 r180; Mechanical 19 "28" at 28.06,43.775 h0.2 r180; Mechanical 19 "32" at 27.06,43.775 h0.2 r180; Mechanical 19 "26" at 28.56,43.775 h0.2 r180; Mechanical 19 "36" at 26.06,43.775 h0.2 r180; Mechanical 19 "34" at 26.56,43.775 h0.2 r180; Mechanical 19 "24" at 29.06,43.775 h0.2 r180; Mechanical 19 "22" at 29.56,43.775 h0.2 r180; Mechanical 19 "16" at 31.06,43.775 h0.2 r180; Mechanical 19 "12" at 32.06,43.775 h0.2 r180; Mechanical 19 "14" at 31.56,43.775 h0.2 r180; Mechanical 19 "10" at 32.56,43.775 h0.2 r180; Mechanical 19 "20" at 30.06,43.775 h0.2 r180; Mechanical 19 "18" at 30.56,43.775 h0.2 r180; Mechanical 19 "4" at 33.98,43.775 h0.2 r180; Mechanical 19 "2" at 34.48,43.775 h0.2 r180; Mechanical 19 "8" at 32.98,43.775 h0.2 r180; Mechanical 19 "6" at 33.48,43.775 h0.2 r180
OBJ1: Mechanical 19 "1" at 25.4,74.67 h0.2
TVS2: Mechanical 17 "6" at 33.928,20.684 h0.2 r270; Mechanical 17 "5" at 33.428,20.684 h0.2 r270; Mechanical 17 "4" at 32.928,20.684 h0.2 r270; Mechanical 17 "2" at 33.428,19.074 h0.2 r270; Mechanical 17 "1" at 33.928,19.074 h0.2 r270; Mechanical 17 "3" at 32.928,19.074 h0.2 r270
U2: Mechanical 26 "9" at 35.372,84.654 h0.2; Mechanical 26 "10" at 35.372,85.234 h0.2; Mechanical 26 "11" at 36.322,84.234 h0.2; Mechanical 26 "3" at 37.272,84.154 h0.2; Mechanical 26 "1" at 37.272,85.154 h0.2; Mechanical 26 "2" at 37.272,84.654 h0.2; Mechanical 26 "7" at 35.372,83.654 h0.2; Mechanical 26 "6" at 35.372,83.154 h0.2; Mechanical 26 "4" at 37.272,83.654 h0.2; Mechanical 26 "5" at 37.272,83.154 h0.2; Mechanical 26 "8" at 35.372,84.154 h0.2